# Allegro board LAY-93440_A.brd (continued)
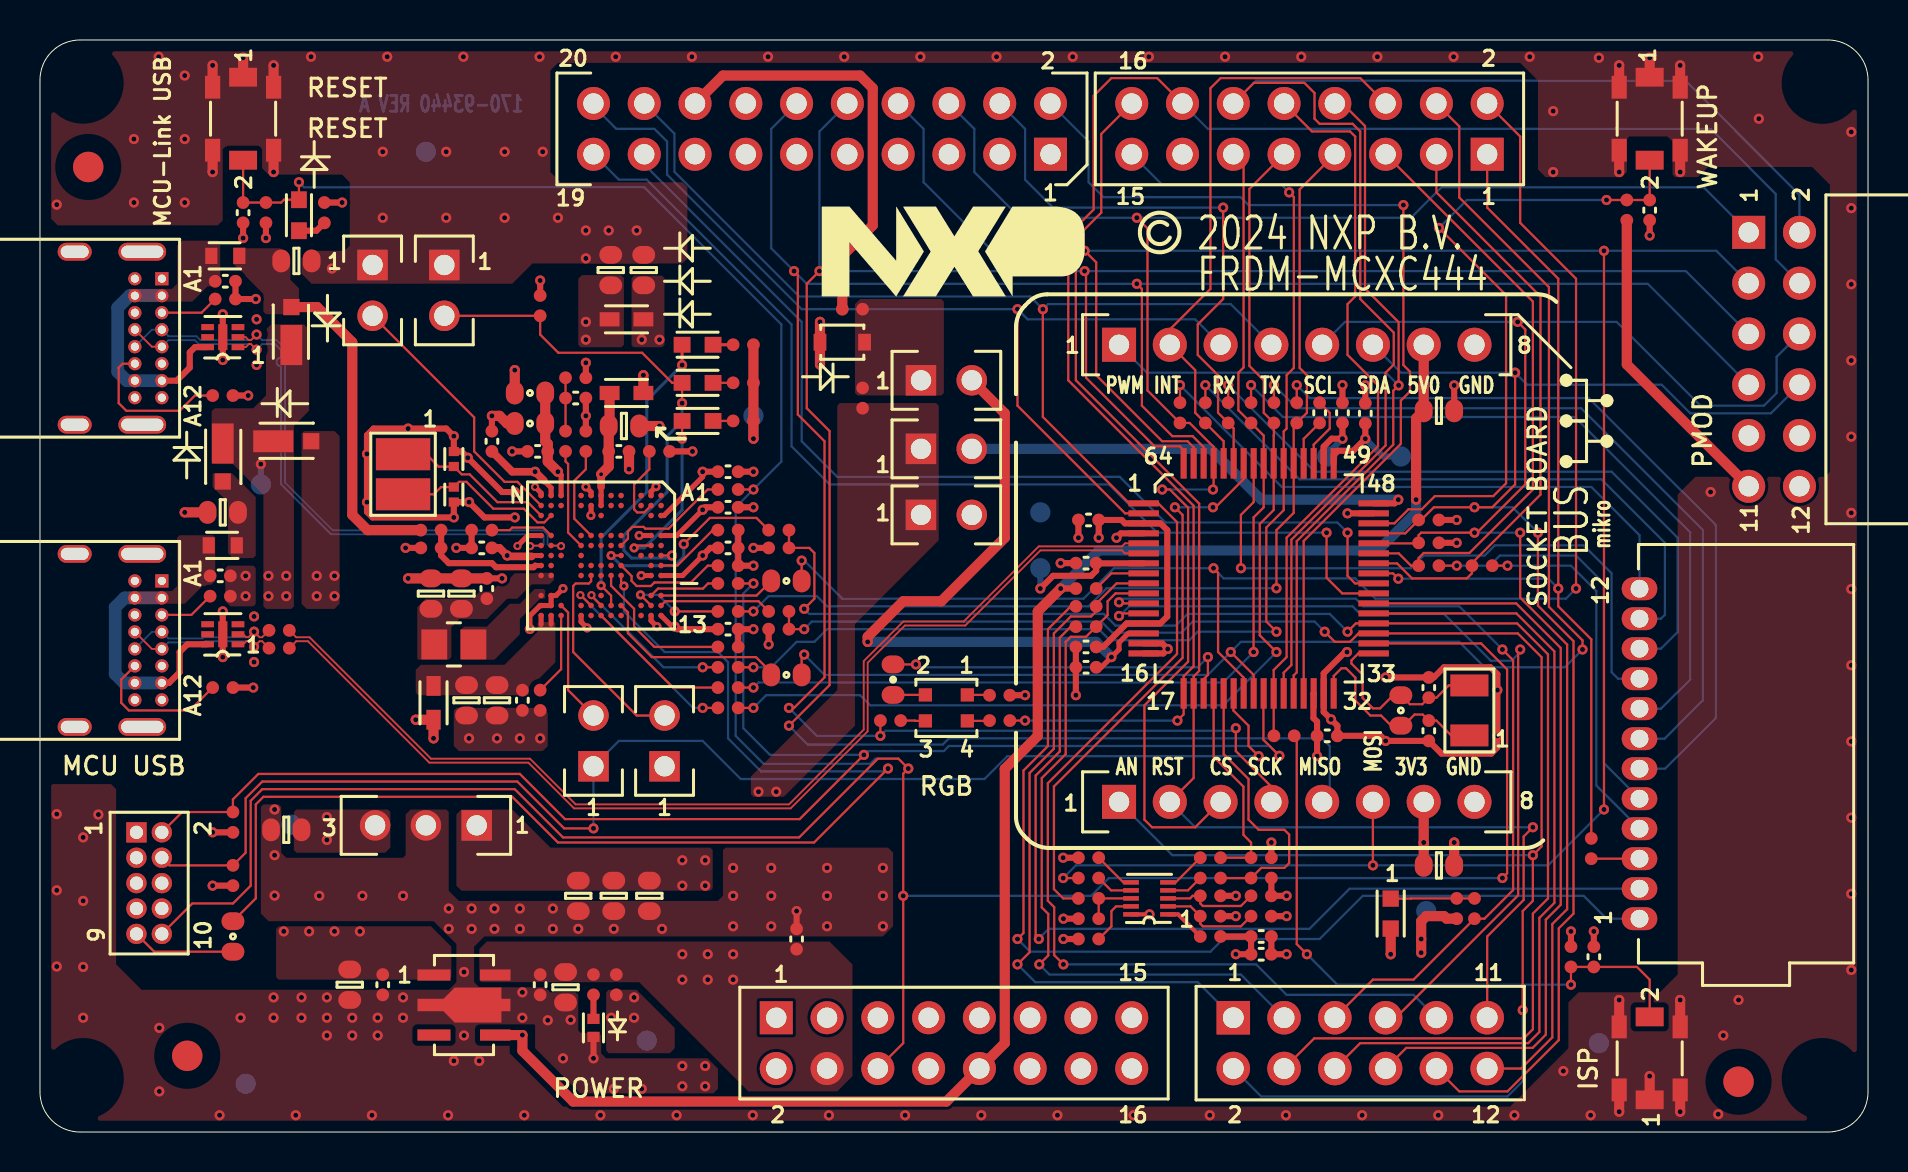
[diagram p0: board, top side]
## Nets
GND: C2.2 C3.2 C4.2 C5.2 C6.2 C7.2 C8.2 C9.2 C10.2 C12.2 C13.2 C14.2 C15.2 C16.2 C17.2 C18.2 C19.2 C20.2 C21.2 C22.2 C23.2 C24.2 C25.2 C26.2 C27.2 C28.2 C29.2 C30.2 C31.2 C32.2 C33.2 C34.2 C35.2 C36.2 C37.2 C38.2 C39.2 C40.2 C41.2 C42.2 C43.2 C44.2 C45.2 C46.2 C47.2 C48.2 C49.2 C50.2 C51.2 D2.A D5.C(CATHODE) J2.14 J3.12 J3.14 J5.8 J6.8 J7.9 J7.10 J10.3 J10.5 J11.2 J12.A1 J12.A12 J12.B1 J12.B12 J12.SH1 J12.SH2 J12.SH3 J12.SH4 J13.A1 J13.A12 J13.B1 J13.B12 J13.SH1 J13.SH2 J13.SH3 J13.SH4 JP2.1 JP3.1 JP4.1 Q1.2(EMITTER) R35.1 R36.2 R41.2 R46.2 R48.2 R55.2 R56.2 R57.2 R59.2 R61.2 R62.2 R63.2 R64.2 R65.2 R66.2 R67.2 R81.2 SW1.1 SW1.3 SW1.4 SW1.5 SW1.6 SW2.1 SW2.3 SW2.4 SW2.5 SW2.6 SW3.1 SW3.3 SW3.4 SW3.5 SW3.6 TP5.1(PIN1) TP6.1(PIN1) TP7.1(PIN1) U1.4 U1.15 U1.16(VSSA) U1.31 U1.47 U2.10 U3.2(VSS) U4.7 U5.B1 U5.B5 U5.B9 U5.B13 U5.H1 U5.H2 U5.J13 U5.M11 U5.M12 U5.N1 U5.N5 U5.N12 U6.7
P3V3: C14.1 C15.1 C16.1 C20.1 C24.1 C25.1 C33.1 J3.4 J3.8 J6.7 J7.11 J7.12(B6) JP1.2 L2.1 L3.1 L5.1 R1.1 R2.1 R9.1 R15.1 R26.1 R27.1 R28.1 R29.1 R30.2 R31.1 R32.1 R33.1 R34.1 R42.1 R43.1 R44.1 R51.1 R52.1 R53.1 R58.1 R60.1 R76.1 R77.1 R83.2 TP8.1(PIN1) TP10.1(PIN1) U3.5
P3V3_MCU: C2.1 C3.1 C51.1 J10.1 JP1.1 JP7.1 R7.1 R43.2 R80.1 TP3.1(PIN1) TP12.1(PIN1) U1.3 U1.13 U1.30
P5V0: C21.1 C23.1 C26.1 D4.C D6.C D7.C J3.10 J5.7 R6.1 TP9.1(PIN1) TP11.1(PIN1) U3.1 U3.4
P5V_HDR_IN: C22.1 D7.A J11.3
P5V_MCU_LINK_USB: C48.1 D6.A L6.2 R54.1
P5V_USB_FS: C27.1 D4.A L1.2
VBAT_DCDC/VBAT_PMU: C41.1 C42.1 C43.1 L5.2 U5.M13 U5.N13
A0: J4.2 J6.1 R76.2 R79.2 U1.35
A1: J4.4 R77.2 R78.2 U1.36
A2: J4.6 U1.37
A3: J4.8 U1.38
A4: J4.10 J5.6 J7.8 R26.2 U1.45
A5: J4.12(B6) J5.5 J7.6 R27.2 U1.44
A-A0B: J4.1 R20.1 U1.9
A-A1B: J4.3 R19.1 U1.10
A-A3B: J4.7 U1.12
A-D0B: J1.1 R8.1 U1.41
A-D1B: J1.3 R10.1 U1.42
A-D2B: J1.5 R11.1 U1.43
AREF: J2.16 R4.1
D0: J1.2 R71.2 U1.23
D1: J1.4 R70.2 U1.24
D2: J1.6 J5.2 R18.1 U1.60
D3: J1.8 J5.1 U1.28
D4: J1.10 R5.1 U1.26
D5: J1.12 J7.2 U1.27
D6: J1.14 J7.4 R25.2 U1.17
D7_A-A5B: J1.16(B8) J4.11 J6.2 U1.18
D8: J2.2 U1.29
D9: J2.4 R16.1 U1.59
D10: J2.6 J6.3 J7.1 R17.1 U1.61
D11: J2.8 J6.6 J7.3 R40.2 U1.63
D12: J2.10 J6.5 J7.5 U1.64
D13: J2.12 J6.4 J7.7 R23.2 U1.62
D14_A-A4B: J2.18 J4.9 J5.4 U1.1
D15: J2.20 J5.3 U1.2
DBGIF_DETECT: R24.1 U5.E9
DBGIF_RESET: R69.1 U5.E6
DBGIF_TCK_SWCLK: JP5.2 U5.L12
DBGIF_TMS_SWDIO: R68.1 U5.B11
DBGIF_VREF: C50.1 R58.2 R59.1 U5.L1
EXTAL_32KHZ: C6.1 R3.2 U1.32 Y1.1
FL_USB1_DM: J13.A7 J13.B7 U5.N6 U6.1
FL_USB1_DP: J13.A6 J13.B6 U5.M6 U6.2
HW_VER_0: R62.1 U5.E8
HW_VER_1: R63.1 U5.A8
HW_VER_2: R64.1 U5.F9
HW_VER_3: R65.1 U5.B2
HW_VER_4: R66.1 U5.M5
HW_VER_5: R67.1 U5.H5
HW_VER_6: JP3.2 U5.H9
HW_VER_7: JP4.2 U5.N2
HW_VER_8: R61.1 U5.L13
LCD-01_P59: DS1.1 R20.2
LCD-02_P60: DS1.2 R19.2
LCD-03_P14: DS1.3 R8.2
LCD-04_P15: DS1.4 R10.2
LCD-05_P20: DS1.5 R11.2
LCD-06_P24: DS1.6 R12.2
LCD-07_P26: DS1.7 R14.2
LCD-08_P27: DS1.8 R13.2
LCD-09_P40: DS1.9 U1.57
LCD-10_P42: DS1.10(DP3/3C/3B/3A) R16.2
LCD-11_P43: DS1.11 R18.2
LCD-12_P44: DS1.12 R17.2
LED_RED: R22.2 U1.19
LED_USB_COMM: D8.C(CATHODE) U5.F12
LED_VCOM_ACT: D10.C(CATHODE) U5.B6
LIGHT_SNS: J4.5 R82.1 U1.11
MCU_LINK_3V3: C29.1 C30.1 C31.1 C32.1 C34.1 C46.1 C47.1 L2.2 R49.1 U5.A3 U5.A5 U5.A9 U5.A13 U5.M1 U5.N7
MCU_LINK_I2C0_SCL: R79.1 U5.A12
MCU_LINK_I2C0_SDA: R78.1 U5.E7
MCU_LINK_N_16MHZ: C44.1 U5.M3 Y2.2
MCU_LINK_P_16MHZ: C45.1 U5.N3 Y2.1
MCU_LINK_RST: R50.2 U5.J6
MCU_LINK_RX: R70.1 U5.E12
MCU_LINK_SPI1_MISO: R75.1 U5.G13
MCU_LINK_SPI1_MOSI: R74.1 U5.H12
MCU_LINK_SPI1_SCLK: R73.1 U5.G12
MCU_LINK_SPI1_SSEL: R72.1 U5.B12
MCU_LINK_TX: R71.1 U5.A11
P5-9V_VIN: C17.1 C18.1 C19.1 J3.16(B8) J11.1
PIO0_5-ISP_EN-LED_SWD_ACT: D9.C(CATHODE) JP2.2 R60.2 U5.A7
PTA4/NMI: C12.1 R5.2 R15.2 SW3.2
PTB16: J2.19 U1.39
PTB17: J2.17 U1.40
PTC3/WAKEUP: C10.1 R9.2 SW2.2 U1.46
PTC4/SPI0_PCS_MCULINK: J1.7 R12.1 R72.2 U1.53
PTC5/SPI0_SCK_MCULINK: J1.15 R73.2 U1.54
PTC6/SPI0_MOSI_MCULINK: J1.9 R14.1 R74.2 U1.55
PTC7/SPI0_MISO_MCULINK: J1.11 R13.1 R75.2 U1.56
PTD1/ACCEL_INT: R39.1 U1.58
PTE24/ACCEL_SCL: R29.2 R37.2 U1.20
PTE25/ACCEL_SDA: R34.2 R38.1 U1.21
RESET_B: C5.1 D1.C(CATHODE) J3.6 J10.10(B5) R1.2 R69.2 SW1.2 U1.34
SWD_CLK_TGTMCU: J10.4 JP5.1 R81.1 U1.22
SWD_DIO_TGTMCU: J10.2 R68.2 R80.2 U1.25
USB0_DM: R45.2 U1.6
USB0_DP: R47.2 U1.5
VCAP1: C11.1 U1.52
VCAP2: C11.2 U1.51
VOUT33: C13.1 TP4.1(PIN1) U1.7
VREF_MCULINK: C36.1 C37.1 L3.2 U5.G1 U5.G2
VREFH: C7.1 JP6.2 U1.14
VREFH_IN: D2.C(CATHODE) JP6.1 R4.2 R7.2
XTAL_32KHZ: C4.1 R3.1 U1.33 Y1.2
N60273: R6.2 U1.8
N60813: C8.1 TP1.1(PIN1) U1.50
N60817: C9.1 TP2.1(PIN1) U1.49
N60905: JP7.2 U1.48
N73882: Q1.1 R42.2 R82.2
N84836: C35.1 R49.2 R50.1
N85250: D8.A R51.2
N85474: D9.A R52.2
N85648: C38.1 C39.1 C40.1 L4.2 U5.M9 U5.N9
N85680: D10.A R53.2
N85830: L4.1 U5.N11
N87448: R54.2 R57.1 U5.N8
N1590729: C49.1 J13.A4 J13.A9 J13.B4(VBUS4) J13.B9 L6.1 U6.6(VBUS)
N1590769: J13.A5 R55.1
N1590873: J13.B5 R56.1
N16799454: R30.1 R35.2 U2.2
N16799456: R31.2 R36.1 U2.3
N16799458: R32.2 R39.2 U2.8
N16799460: R33.2 U2.6
N16799537: R41.1 U2.9
N16808101: C28.1 J12.A4 J12.A9 J12.B4(VBUS4) J12.B9 L1.1 U4.6(VBUS)
N16808125: J12.A5 R46.1
N16808144: J12.A6 J12.B6 R47.1 U4.2
N16808148: J12.A7 J12.B7 R45.1 U4.1
N16808212: J12.B5 R48.1
N16808796: J10.9 R24.2
N16855543: D1.A R2.2
N16873626: D3.2 R22.1
N16873660: D3.1 R83.1
N16873662: D3.3 R23.1
N16873684: D3.4(CATHODE3) R25.1
N16877270: R37.1 U2.5
N16877273: R40.1 U2.7
N16877329: R38.2 U2.4
N16894290: R28.2 U2.1(VDD)
N168033921: D5.A R44.2

Pads without a net: J1 13; J2 1 3 5 7 9 11 13 15; J3 1 2 3 5 7 9 11 13 15; J10 6 7 8; J12 A8 B8; J13 A8 B8; U3 3; U4 3 4 5; U5 A1 A2 A6 B3 B7 B8 C1 C2 C7 C12 C13 E1 E2 E5 E13 F1 F2 F5 F6 F8 F13 G3 G5 G6 G8 G9 G11 H6 H8 H13 J1 J2 J5 J7 J8 J9 J12 L2 L7 M2 M7 M8; U6 3 4 5

## Via types
v1: diameter 0.508, hole 0.254, TOP to BOTTOM, 416 vias
v2: diameter 0.406, hole 0.203, TOP to BOTTOM, 6 vias
v3: diameter 0.457, hole 0.203, TOP to BOTTOM, 14 vias

## Routing (per net, layer and track width the routed paths; a pad name or vN(x,y) marks a point on that pad's centre or on a via; arc(x,y) is an arc through that point)
GND: length 127.7
  TOP w0.203: U2.10 v1(55.5,10.88)
  TOP w0.254: U5.J13 27.07,25.51 v3(27.37,25.21) ; U5.B1 30.57,32.03 v3(30.82,32.28) ; v2(24.77,32.26) 25.07,31.96 U5.N1 ; v3(29.97,29.83) 29.97,29.83 U5.B5 ; U5.H1 27.57,32 v3(27.31,32.26) ; U5.H2 27.57,30.84 v3(27.56,30.83) ; v1(24.5,25.15) 24.5,25.82 25.02,26.33 U5.N12 U5.M12 U5.M11 25.81,26.83 v3(26.16,27.18) ; U5.N5 24.41,29.83 v2(23.88,29.31) ; U5.B13 30.57,25.57 v3(30.86,25.27) ; U5.B9 v3(30.07,27.83)
  TOP w0.305: v1(51.82,21.84) C7.2 C2.2 ; v1(23.75,32) 23.11,32 v1(21.4,33.72) 21.09,34.03 C45.2 v1(20.7,34.8) 20.32,35.18 v1(18.41,35.18) 16.69,35.18 16.36,34.85 v1(16.36,33.91) v1(16.36,31.5) 16.36,31.01 16.64,30.73 v1(20.7,30.73) C44.2 v1(21.46,31.5) 22.23,30.73 v1(23.75,30.73) ; C34.2 v1(35.69,31.24) ; C5.2 v1(10.16,44.7) ; R35.1 v1(59.82,10.79) ; C8.2 v1(65.15,37.35) ; v1(9.14,26.03) U4.7 v1(9.14,23.75) ; C10.2 v1(80.52,44.83) ; U1.16 56.19,23.93 v1(56.41,24.16) 56.14,24.43 U1.15 ; v1(67.31,22.73) C4.2 69.72,22.73 70.23,23.24 72.55,23.24 72.9,22.89 v1(72.9,22.1) v1(72.9,19.81) 72.9,19.23 72.59,18.92 70.1,18.92 C6.2 v1(67.31,19.56) 67.06,19.81 C3.2 64.9,20.32 v1(64.58,20.64) 64.21,21 U1.31 64.21,22.94 65.28,24 v1(65.38,24) ; C31.2 v1(22.61,35.81) ; U1.4 54.07,29.94 v1(53.85,29.72) ; C30.2 v1(35.69,33.02) ; C51.2 v1(51.94,29.72) ; C21.2 v1(70.74,37.34) ; C39.2 v1(23.11,27.69) ; R41.2 v1(51.19,9.65) ; R57.2 v1(18.29,29.21) ; R65.2 v1(32.64,34.04) ; v1(35.69,25.15) C46.2 R64.2 ; R81.2 v1(8.64,12.32) ; C13.2 v1(51.05,28.45) ; C50.2 v1(23.62,34.04) ; C49.2 R55.2 v1(10.79,41.66) ; U1.47 v1(65.41,30.94) ; R36.2 v1(59.82,11.81) ; R66.2 C32.2 v1(20.83,29.21) ; R67.2 v1(27.3,35.81) C35.2 ; C12.2 v1(77.72,10.03) ; R48.2 v1(10.67,22.23) ; R56.2 v1(10.41,36.83) ; R63.2 C47.2 R62.2 v1(35.69,28.32) ; C15.2 C14.2 v1(62.36,8.89) ; D5.C v1(27.69,3.68) ; v1(9.14,38.61) U6.7 v1(9.14,40.89) ; C9.2 v1(66.29,37.34) ; C16.2 v1(37.85,11.05)
  TOP w0.508: v1(22.61,35.81) 22.99,35.81 23.37,35.43 R59.2 ; SW3.6 v1(82.04,6.6) ; v1(39.02,40.51) D2.A v1(39.02,38.38) ; v1(18.41,27.69) C40.2 C38.2 C39.2 ; SW1.5 v1(8.63,53.34) ; SW3.5 v1(82.04,1.01) ; SW2.6 v1(78.99,48.01) ; SW1.1 v1(10.16,53.72) ; SW3.4 v1(78.99,6.6) ; SW2.1 v1(80.52,53.72) ; SW2.5 v1(78.99,53.34) ; C27.2 v1(7.24,30.99) ; SW1.6 v1(8.63,48.01) ; SW1.3 v1(11.69,53.34) ; SW3.1 v1(80.52,2.79) ; C37.2 v1(30.99,35.31) ; C36.2 v1(29.46,33.15) ; SW2.3 v1(82.04,53.34) ; C20.2 v1(70.74,14.48) ; SW2.4 v1(82.04,48.01) ; Q1.2 v1(67.56,8.89) ; SW3.3 v1(78.99,1.02) ; SW1.4 v1(11.69,48.01)
  vias: v1(0.84,46.38) v1(0.84,15.9) v1(0.84,12.09) v1(0.84,8.28) v1(2.16,14.73) v1(2.16,11.56) v1(2.16,8.25) v1(2.16,5.71) v1(2.92,15.88) v1(4.7,49.66) v1(4.7,46.48) v1(5.94,53.77) v1(5.97,5.21) v1(5.97,2.03) v1(7.24,52.83) v1(7.24,49.66) v1(7.24,46.48) v1(8.98,0.84) v1(10.03,5.71) v1(10.29,27.81) v1(10.29,26.8) v1(10.71,25.78) v1(10.71,23.5) v1(10.83,40.64) v1(10.83,38.36) v1(11.68,6.73) v1(11.68,5.71) v1(11.73,16.13) v1(11.73,13.84) v1(11.73,11.82) v1(12.79,0.84) v1(13.08,6.73) v1(13.08,5.71) v1(13.56,53.77) v1(13.97,11.81) v1(14.35,6.73) v1(14.35,5.71) v1(14.35,4.83) v1(14.61,43.18) v1(15.62,5.71) v1(15.62,4.83) v1(16.13,11.81) v1(16.6,0.84) v1(16.89,5.71) v1(16.89,4.83) v1(17.14,49.02) v1(17.14,45.72) v1(17.37,53.77) v1(18.16,11.81) v1(18.16,6.73) v1(18.16,5.71) v1(20.32,49.02) v1(20.32,45.72) v1(20.45,11.18) v1(20.45,10.16) v1(20.41,0.84) v1(20.7,3.56) v1(21.18,53.77) v1(21.21,8) v1(21.21,4.83) v1(21.46,19.69) v1(21.59,11.18) v1(21.59,10.16) v1(21.97,3.56) v1(22.73,11.18) v1(22.73,10.16) v1(22.86,19.69) v1(23.24,49.02) v1(23.24,45.72) v1(24,19.69) v1(24,11.18) v1(24,10.16) v1(24.13,6.98) v1(24.13,5.71) v1(24.22,0.84) v1(24.99,53.77) v1(25.02,19.69) v1(25.15,49.02) v1(25.4,5.59) v1(25.65,11.18) v1(25.65,10.16) v1(25.91,45.72) v1(26.16,3.68) v1(26.54,5.61) v1(26.92,10.16) v1(27.3,45.09) v1(27.3,43.69) v1(28.03,0.84) v1(28.45,45.09) v1(28.7,10.16) v1(28.7,2.16) v1(28.8,53.77) v1(29.84,45.09) v1(30.1,2.16) v1(31.11,10.16) v1(31.84,0.84) v1(32.13,3.3) v1(32.13,2.29) v1(32.61,53.77) v1(33.27,3.3) v1(33.27,2.29) v1(34.67,13.21) v1(34.67,11.81) v1(34.67,10.29) v1(35.65,0.84) v1(36.42,53.77) v1(36.58,13.21) v1(36.58,11.81) v1(36.58,10.29) v1(39.37,13.21) v1(39.37,11.81) v1(39.37,10.29) v1(39.46,0.84) v1(40.23,53.77) v1(42.16,13.21) v1(42.16,11.81) v1(42.16,10.29) v1(43.27,0.84) v1(44.04,53.77) v1(47.08,0.84) v1(47.85,53.77) v1(50.89,0.84) v1(51.66,53.77) v1(54.7,0.84) v1(55.47,53.77) v1(58.51,0.84) v1(59.28,53.77) v1(62.32,0.84) v1(63.09,53.77) v1(66.13,0.84) v1(66.9,53.77) v1(69.94,0.84) v1(70.71,53.77) v1(73.75,0.84) v1(74.52,53.77) v1(75.69,51.05) v1(75.69,48.01) v1(76.2,3.05) v1(77.56,0.84) v1(77.98,53.72) v1(83.57,32) v1(83.95,0.89) v1(84.2,4.83) v1(84.96,6.6) v1(85.95,53.77) v1(85.98,50.67) v1(90.6,50.01) v1(90.6,46.2) v1(90.6,42.39) v1(90.6,38.58) v1(90.6,34.77) v1(90.6,30.96) v1(90.6,27.15) v1(90.6,23.34) v1(90.6,19.53) v1(90.6,15.72) v1(90.6,11.91) v1(90.6,8.1)
P3V3: length 47.3
  TOP w0.305: R33.1 v1(51.18,13.72) ; R1.1 v1(11.3,44.7) ; v1(59.82,8.89) C14.1 C15.1 R28.1 ; R15.1 v1(76.58,10.03) ; R27.1 v1(70.87,29.46) ; R26.1 v1(70.87,30.61) ; R32.1 v1(51.19,10.67) ; R34.1 R31.1 v1(62.36,11.81) ; R77.1 v1(35.69,29.21) ; R29.1 v1(61.59,14.48) ; R2.1 v1(15.11,46.48) ; R83.2 v1(49.28,21.84) ; R30.2 v1(62.36,10.79) ; R60.1 v1(25.02,42.58) ; R76.1 v1(36.45,24.38)
  TOP w0.508: v1(18.8,20.62) L5.1 v1(19.68,19.69) ; 69.22,16.51 v1(69.22,14.48) C20.1 ; v1(35.69,34.67) R53.1 R52.1 R51.1 ; R58.1 v1(23.75,38.1) ; R9.1 79.38,38.39 J7.11 ; v1(69.09,8.97) v1(69.09,9.65) 69.09,10.54 69.34,10.79 70.23,10.79 70.36,10.67 70.87,10.67 ; L3.1 v1(30.18,37.85)
  BOTTOM w0.508: TP10.1 v1(35.69,34.67)
  vias: v1(30.1,39.62) v1(30.99,39.62) v1(32.13,8.89) v1(32.13,7.62) v1(33.4,8.89) v1(33.4,7.62) v1(34.67,8.89) v1(34.67,7.62)
P3V3_MCU: length 17.3
  TOP w0.305: v1(52.96,29.72) C51.1 54.1,30.61 54.27,30.44 U1.3 56.05,30.44 56.39,30.1 56.39,25.78 56.04,25.43 U1.13 54.36,25.43 53.18,24.26 C2.1 ; v1(63.88,18.8) C3.1 63.88,20.52 63.7,20.7 63.7,21.92 U1.30 ; 9.65,14.99 v1(8.64,14.99)
  vias: v1(28.57,5.71) v1(29.72,6.73) v1(29.72,5.71) v1(35.94,17.02) v1(36.83,17.02)
P5V0: length 82.1
  TOP w0.305: v1(51.05,27.18) R6.1
  TOP w0.508: J5.7 C21.1 68.83,35.69 v1(68.83,31.62) ; v1(51.05,27.18) 49.91,26.03 49.91,19.81 48.26,18.16 48.26,4.45 J3.10 45.34,1.52 26.67,1.52 24.13,4.06 v1(24.13,4.85) U3.4
  BOTTOM w0.305: TP9.1 v1(11.05,33.4)
  BOTTOM w0.508: v1(51.05,27.18) 52.96,29.08 66.93,29.08 68.83,30.99 v1(68.83,31.62)
  vias: v1(11.43,27.81) v1(11.43,26.8) v1(12.19,10.03) v1(12.32,27.81) v1(12.32,26.8) v1(13.46,10.03) v1(14.73,10.03) v1(16,10.03)
P5V_HDR_IN:
  vias: v1(13.84,27.81) v1(13.84,26.8) v1(14.35,15.75) v1(14.35,14.61) v1(14.73,27.81) v1(14.73,26.8)
P5V_MCU_LINK_USB: length 16.2
  TOP w0.508: R54.1 16.38,30.1 15.62,30.86 15.62,39.5 13.86,41.25 D6.A
VBAT_DCDC/VBAT_PMU: length 0.9
  TOP w0.254: U5.M13 25.57,25.39 ; U5.N13 25.07,25.38
A0: length 99
  TOP w0.112: v1(64.26,25.02) 64.77,24.51 65.53,24.51 65.96,24.93 U1.35 73.92,24.93 75.11,23.74 75.11,14.28 v1(74.68,13.84) 74.68,11.56 74.17,11.05 v1(74.17,6.1) ; v1(38.23,25.15) R76.2 R79.2
  BOTTOM w0.112: v1(64.26,25.02) 63.75,25.53 57.66,25.53 57.1,24.97 53.64,24.97 53.09,25.53 38.61,25.53 v1(38.23,25.15) ; v1(74.68,13.84) 56.64,13.84 J6.1 ; v1(74.17,6.1) 74.17,2.54 73.41,1.78 61.09,1.78 J4.2
A1: length 76.6
  TOP w0.112: R78.2 R77.2 38.48,29.21 38.73,28.96 38.73,26.67 v1(38.23,26.16) ; v1(65.41,25.02) 65.82,25.43 U1.36 73.89,25.43 75.43,23.89 75.43,11.68 74.68,10.92 74.68,5.14 74.22,4.68 63.74,4.68 J4.4
  BOTTOM w0.112: v1(38.23,26.16) 38.48,25.91 53.21,25.91 53.8,25.33 56.82,25.33 57.4,25.91 64.52,25.91 v1(65.41,25.02)
A2: length 40.2
  TOP w0.112: U1.37 73.85,25.93 75.75,24.03 75.75,11.46 75,10.71 75,5 74.44,4.45 66.04,4.45 J4.6
A3: length 38.6
  TOP w0.112: U1.38 73.84,26.44 76.07,24.21 76.07,11.36 75.32,10.62 75.32,4.87 74.66,4.21 68.34,4.21 J4.8
A4: length 74.8
  TOP w0.112: v1(73.79,37.97) 73.79,32.38 72.64,31.24 v1(71.76,31.24) 69.72,31.24 69.09,30.61 R26.2 68.29,29.94 U1.45 ; v1(74.93,29.97) 74.93,26.33 76.71,24.55 76.71,10.92 75.97,10.19 75.97,4.6 73.41,2.03 70.99,2.03 J4.10
  BOTTOM w0.112: v1(74.93,29.97) 73.66,31.24 v1(71.76,31.24) ; J5.6 68.07,37.97 v1(73.79,37.97) 74.39,37.37 81.12,37.37 82.55,35.94 86.58,35.94 J7.8
A5: length 78.7
  TOP w0.112: v1(73.91,40.51) 74.3,40.13 74.3,32.38 71.88,29.97 v1(71.76,29.97) 69.09,29.97 68.96,29.84 R27.2 68.93,29.44 U1.44 ; v1(74.04,29.97) 74.04,26.72 76.39,24.38 76.39,11.14 75.65,10.4 75.65,4.73 74.09,3.17 J4.12
  BOTTOM w0.112: J7.6 86.87,38.77 86.87,36.96 86.23,36.32 83.06,36.32 78.87,40.51 v1(73.91,40.51) 65.28,40.51 J5.5 ; v1(71.76,29.97) v1(74.04,29.97)
A-A0B: length 35
  TOP w0.112: U1.9 53.85,27.44 52.83,26.42 R20.1 52.83,26.03 52.58,25.78 51.56,25.78 50.72,24.93 50.72,19.17 49.5,17.95 49.5,8.99 v1(48.89,8.38)
  BOTTOM w0.112: v1(48.89,8.38) 49.78,7.49 57.91,7.49 J4.1
A-A1B: length 35.6
  TOP w0.112: U1.10 53.8,26.94 53.4,26.54 53.4,25.84 R19.1 52.32,24.77 51.56,24.77 51.31,24.51 51.31,18.9 50.11,17.7 50.11,11.23 50.43,10.91 50.43,8.83 v1(49.99,8.38)
  BOTTOM w0.112: J4.3 60.07,7.87 50.5,7.87 v1(49.99,8.38)
A-A3B: length 44.5
  TOP w0.112: U1.12 54.13,25.93 54,25.81 v1(53.98,25.81) ; J4.7 67.82,5.71 73.94,11.84 73.94,24.03 v1(74.04,24.13)
  BOTTOM w0.112: v1(74.04,24.13) 74.04,24 73.6,23.57 72.57,23.57 70.23,25.91 66.04,25.91 65.66,26.29 54.48,26.29 54,25.81 v1(53.98,25.81)
A-D0B: length 45.9
  TOP w0.112: J1.1 72.39,46.23 75.95,42.67 v1(75.95,27.18) 75.95,26.29 77.6,24.64 R8.1 ; v1(67.95,27.67) 67.68,27.94 U1.41
  BOTTOM w0.112: v1(75.95,27.18) 75.45,27.67 v1(67.95,27.67)
A-D1B: length 29.9
  TOP w0.112: U1.42 67.88,28.44 68.63,27.69 71.37,27.69 71.63,27.94 71.63,28.45 75.06,31.88 75.06,41.78 69.85,46.99 69.85,48.9
A-D2B: length 29.8
  TOP w0.112: J1.5 74.68,41.53 74.68,32.13 71.5,28.96 69.22,28.96 68.96,28.7 R11.1 68.58,28.32 67.96,28.94 U1.43
AREF: length 21.4
  TOP w0.508: R4.1 40.13,43.82 41.66,45.34 41.66,52.2 41.02,52.83 34.16,52.83 J2.16
D0: length 75
  TOP w0.112: J1.2 74.04,49.78 74.04,45.47 76.84,42.67 v1(76.84,27.18) ; U1.23 60.21,22.72 58.93,24 58.93,27.97 v1(58.7,28.19) ; v1(38.1,28.58) R71.2
  BOTTOM w0.112: v1(76.84,27.18) 76.33,26.67 66.8,26.67 65.79,27.69 59.21,27.69 v1(58.7,28.19) 53.72,28.19 52.2,26.67 40.13,26.67 38.23,28.58 v1(38.1,28.58)
D1: length 74.9
  TOP w0.112: R70.2 38.1,23.75 v1(38.23,23.88) ; v1(77.16,24.13) 77.16,24.58 75.48,26.26 75.48,42.25 70.99,46.74 70.99,50.29 69.85,51.44 ; v1(59.56,24) 60.71,22.86 U1.24
  BOTTOM w0.112: v1(38.23,23.88) 39.24,22.86 58.42,22.86 v1(59.56,24) 60.07,24.51 70.99,24.51 72.26,23.24 76.27,23.24 v1(77.16,24.13)
D2: length 30.2
  TOP w0.112: U1.60 59.21,34.54 R18.1 57.78,35.97 57.78,38.1 J5.2 56.52,40.13 58.55,42.16 58.55,52.2 59.05,52.7 66.04,52.7 J1.6
D3: length 48
  TOP w0.112: J1.8 65.15,51.44 66.28,50.31 66.28,42.18 67.96,40.5 v1(67.96,37.34) 67.69,37.07 67.69,34.37 62.87,29.55 62.87,22.99 62.71,22.83 U1.28
  BOTTOM w0.112: J5.1 55.37,37.97 67.33,37.97 v1(67.96,37.34)
D4: length 37.2
  TOP w0.112: J1.10 63.63,50.04 65.53,50.04 65.79,49.78 65.79,41.78 65.41,41.4 65.41,38.86 66.93,37.34 66.93,34.29 62.36,29.72 62.36,23.75 61.71,23.1 U1.26 61.71,19.82 61.72,19.81
D5: length 72.7
  TOP w0.112: 59.69,51.44 60.72,52.47 63.25,52.47 63.75,51.96 63.75,50.67 64.01,50.42 65.66,50.42 66.04,50.04 66.04,41.66 67.72,39.98 67.72,38.38 67.31,37.97 67.31,34.34 62.6,29.62 62.6,23.35 62.21,22.97 U1.27
  BOTTOM w0.112: J7.2 88.01,46.86 82.3,52.58 60.83,52.58 59.69,51.44
D6: length 84.9
  TOP w0.112: v1(56.9,20.57) 57.21,20.89 U1.17 57.21,22.79 57.71,23.29 57.71,31.32 51.44,37.59 51.44,44.86 52.7,46.13 52.7,51.82 53.59,52.7 55.88,52.7 57.15,51.44 ; R25.2 v1(49.28,20.57)
  BOTTOM w0.112: J7.4 86.82,43.64 86.82,46.91 83.57,50.16 58.42,50.16 57.15,51.44 ; v1(49.28,20.57) v1(56.9,20.57)
D7_A-A5B: length 68.4
  TOP w0.112: 54.61,51.44 53.09,49.91 53.09,45.97 51.82,44.7 51.82,37.59 57.98,31.42 57.98,23.06 57.71,22.78 U1.18 57.71,17.7 J6.2 ; v1(74.68,15.24) 74.21,14.78 74.21,11.6 72.39,9.78 J4.11
  BOTTOM w0.112: v1(74.68,15.24) 57.78,15.24 J6.2
D8: length 47.7
  TOP w0.112: v1(68.2,46.36) 68.2,38.35 68.53,38.02 68.53,37.03 68.07,36.58 68.07,34.42 63.21,29.56 U1.29
  BOTTOM w0.112: J2.2 52.45,49.53 52.45,47.5 53.2,46.75 60.06,46.75 60.45,46.36 v1(68.2,46.36)
D9: length 28.9
  TOP w0.112: v1(59.18,46.23) 59.18,41.66 57.91,40.39 57.91,38.86 58.93,37.85 58.93,35.97 R16.1 59.71,35.19 U1.59
  BOTTOM w0.112: v1(59.18,46.23) 50.67,46.23 49.28,47.62 49.28,50.16 J2.4
D10: length 85.9
  TOP w0.112: v1(54.86,45.72) 55.4,45.19 55.4,37.08 R17.1 57.5,35.46 58.71,34.25 U1.61 58.71,32.17 v1(58.67,32.13) ; v1(56.13,32.13) 56.52,32.13 57.43,31.22 57.43,23.52 55.24,21.34 55.24,15.62 55.63,15.24 57.78,15.24 J6.3
  BOTTOM w0.112: J2.6 46.74,50.16 46.74,48.01 49.02,45.72 v1(54.86,45.72) 68.58,45.72 70.1,47.24 83.22,47.24 J7.1 ; v1(56.13,32.13) v1(58.67,32.13)
D11: length 121.8
  TOP w0.112: v1(52.25,44.07) 52.83,43.49 52.83,37.85 56.13,34.54 57.4,34.54 57.71,34.24 U1.63 ; v1(78.23,44.07) v1(78.23,16.13) ; R40.2 v1(51.18,12.7) ; J6.6 v1(66.68,13.33)
  BOTTOM w0.112: v1(51.18,12.7) 51.82,13.33 v1(66.68,13.33) 75.44,13.33 v1(78.23,16.13) ; J2.8 44.2,50.16 44.2,47.5 47.62,44.07 v1(52.25,44.07) v1(78.23,44.07) 83.85,44.07 J7.3
D12: length 124.1
  TOP w0.112: v1(52.25,43.05) 52.32,42.98 52.32,37.72 55.75,34.29 57.02,34.29 57.21,34.11 U1.64 ; v1(37.46,20.32) 39.5,22.35 39.5,35.05 38.35,36.2 38.35,42.42 v1(38.99,43.05)
  BOTTOM w0.112: J7.5 82.33,43.05 v1(52.25,43.05) v1(38.99,43.05) 38.99,50.04 J2.10 ; J6.5 64.52,16.89 64.52,19.3 64.14,19.69 45.47,19.69 45.16,19.38 38.41,19.38 v1(37.46,20.32)
D13: length 122.1
  TOP w0.112: v1(54.86,42.42) 55.12,42.16 55.12,36.32 56.64,34.8 57.66,34.8 58.21,34.25 U1.62 ; v1(37.72,43.05) 37.91,42.86 37.91,35.88 39.24,34.54 39.24,22.73 37.72,21.21 v1(37.46,21.21) ; v1(59.82,20.19) 59.82,19.05 61.59,17.27 J6.4 ; R23.2 v1(42.04,19.81)
  BOTTOM w0.112: J2.12 36.58,50.16 36.58,44.2 v1(37.72,43.05) 38.35,42.42 v1(54.86,42.42) 80.42,42.42 J7.7 ; v1(59.82,20.19) 59.69,20.07 42.29,20.07 v1(42.04,19.81) 38.86,19.81 v1(37.46,21.21)
D14_A-A4B: length 96.8
  TOP w0.112: v1(50.16,41.15) 50.16,35.76 54.49,31.44 U1.1 55.94,31.44 56.88,30.5 56.88,23.91 50.41,17.44 50.41,11.56 50.73,11.24 50.73,8.84 v1(51.19,8.38)
  BOTTOM w0.112: J4.9 68.71,6.86 62.36,6.86 60.83,8.38 v1(51.19,8.38) ; J5.4 59.56,41.4 50.42,41.4 v1(50.16,41.15) 49.53,41.78 37.97,41.78 31.73,48.02 31.73,49.93 J2.18
D15: length 50.8
  TOP w0.112: v1(48.89,41.15) 48.89,36.32 54.28,30.94 U1.2
  BOTTOM w0.112: J5.3 57.78,40.64 49.4,40.64 v1(48.89,41.15) 38.1,41.15 31.37,47.88 31.37,49.53 30.73,50.16 28.83,50.16 27.69,51.31 J2.20
DBGIF_DETECT: length 61.2
  TOP w0.112: v1(42.42,18.18) 38.72,14.48 25.91,14.48 23.62,16.76 11.18,16.76 10.79,16.38 10.79,11.68 R24.1 ; v3(29.21,27.3) 29.07,27.45 U5.E9
  BOTTOM w0.112: v3(29.21,27.3) 29.21,26.03 31.24,24 33.91,24 34.42,23.49 34.42,19.69 36.07,18.03 42.28,18.03 v1(42.42,18.18)
DBGIF_RESET: length 6.3
  TOP w0.112: R69.1 33.4,32.13 31.44,30.17 30.28,30.17 30.19,30.26 29.63,30.26 29.41,30.05 29.41,29.67 U5.E6
DBGIF_TCK_SWCLK: length 6.2
  TOP w0.112: JP5.2 26.42,22.1 26.42,25.98 U5.L12
DBGIF_TMS_SWDIO: length 3.6
  TOP w0.112: U5.B11 30.91,27.18 33.16,27.18 33.42,27.43 R68.1
DBGIF_VREF: length 5.5
  TOP w0.254: v1(25.91,33.02) 26.07,32.86 U5.L1
  TOP w0.508: v1(25.91,33.02) 25.4,33.53 C50.1 25.4,34.42 25.27,34.54 R59.1 R58.2
EXTAL_32KHZ: length 10.3
  TOP w0.112: Y1.1 70.59,19.83 69.85,20.57 C6.1 69.17,20.88 68.75,20.88 68.2,20.32 R3.2 67.59,20.32 67.08,20.83 66.55,20.83 65.8,21.58 65.8,22.72 65.33,23.19 65.1,23.19 64.71,22.8 U1.32
FL_USB1_DM: length 32.2
  TOP w0.089: J13.A7 5.6,39.27 J13.B7 ; U5.N6 24.55,29.33 v2(24.52,29.3) ; U6.1 10.29,39.25 10.45,39.41 10.55,39.41 v1(10.83,39.12)
  BOTTOM w0.089: J13.A7 6.42,39.6 7.75,39.6 7.94,39.4 10.56,39.4 v1(10.83,39.12) 11.11,39.4 11.75,39.4 12.07,39.09 12.07,38.77 11.98,38.68 11.93,38.68 11.84,38.6 11.84,38.42 11.93,38.33 11.98,38.33 12.07,38.24 12.07,32.38 14.56,29.89 25.1,29.89 25.19,29.8 25.19,29.39 25.1,29.3 v2(24.52,29.3)
FL_USB1_DP: length 32.2
  TOP w0.089: v2(26.06,29.3) 26.03,29.33 U5.M6 ; U6.2 10.29,39.75 10.43,39.6 10.56,39.6 v1(10.83,39.88)
  BOTTOM w0.089: v2(26.06,29.3) 25.48,29.3 25.39,29.39 25.39,29.88 25.18,30.09 14.64,30.09 12.26,32.47 12.26,39.17 11.84,39.6 11.11,39.6 v1(10.83,39.88) 10.55,39.6 8.03,39.6 7.83,39.8 6.42,39.8 J13.A6 5.6,40.12 J13.B6
HW_VER_0: length 5.8
  TOP w0.112: U5.E8 29.59,27.8 29.59,27.56 29.85,27.3 30.56,27.3 30.73,27.48 32.56,27.48 33.4,28.32 R62.1
HW_VER_1: length 3.6
  TOP w0.112: R63.1 33.66,30.1 31.89,28.33 U5.A8
HW_VER_2: length 7.6
  TOP w0.112: U5.F9 28.57,27.32 29.72,26.17 29.72,25.27 30.73,24.26 R64.1
HW_VER_3: length 4.3
  TOP w0.112: U5.B2 30.57,31.33 30.22,30.98 29.87,30.98 29.72,31.14 29.72,32.39 30.48,33.15 R65.1
HW_VER_4: length 3.2
  TOP w0.112: R66.1 23.49,30.1 23.62,30.23 25.17,30.23 U5.M5
HW_VER_5: length 4.8
  TOP w0.112: U5.H5 26.72,30.67 26.72,32.57 27.3,33.15 R67.1
HW_VER_6: length 10.5
  TOP w0.112: U5.H9 27.57,27.54 27.46,27.43 26.8,27.43 26.67,27.3 26.67,24 29.84,20.83 JP3.2
HW_VER_7: length 13.4
  TOP w0.112: U5.N2 23.88,32.51 23.24,32.51 21.72,34.04 21.72,35.74 JP4.2
HW_VER_8: length 4.2
  TOP w0.112: U5.L13 26.07,23.15 25.02,22.1
LCD-01_P59: length 51
  TOP w0.112: v1(48.89,9.65) 49.19,9.95 49.19,18.08 50.42,19.3 50.42,25.15 51.56,26.29 R20.2
  BOTTOM w0.112: DS1.1 78.36,10.67 77.22,11.81 66.17,11.81 64.01,9.65 59.18,9.65 58.55,9.02 49.53,9.02 v1(48.89,9.65)
LCD-02_P60: length 47.8
  TOP w0.112: v1(49.96,9.65) 49.8,9.81 49.8,17.82 51.01,19.03 51.01,24.72 51.56,25.27 R19.2
  BOTTOM w0.112: DS1.2 65.51,12.17 63.5,10.16 50.45,10.16 49.96,9.67 v1(49.96,9.65)
LCD-03_P14: length 2.4
  TOP w0.112: DS1.3 R8.2
LCD-04_P15: length 18.5
  TOP w0.112: R10.2 v1(73.41,28.32)
  BOTTOM w0.112: v1(73.41,28.32) 76.58,28.32 77.85,27.05 77.85,17.33 DS1.4
LCD-05_P20: length 20.5
  TOP w0.112: R11.2 v1(70.87,28.32)
  BOTTOM w0.112: v1(70.87,28.32) 72.52,28.32 73.03,28.83 76.84,28.83 78.23,27.43 78.23,18.45 DS1.5
LCD-06_P24: length 39.2
  TOP w0.112: R12.2 v1(62.87,37.35)
  BOTTOM w0.112: DS1.6 81.29,18.17 83.82,20.7 83.82,30.35 77.47,36.7 63.51,36.7 v1(62.87,37.35)
LCD-07_P26: length 37.8
  TOP w0.112: R14.2 v1(61.72,37.35)
  BOTTOM w0.112: v1(61.72,37.35) 62.88,36.2 77.09,36.2 83.19,30.1 83.19,21.59 81.26,19.67 DS1.7
LCD-08_P27: length 36.4
  TOP w0.112: R13.2 v1(60.58,37.35)
  BOTTOM w0.112: DS1.8 81.08,21.17 82.55,22.64 82.55,29.97 76.77,35.76 62.17,35.76 v1(60.58,37.35)
LCD-09_P40: length 31.6
  TOP w0.112: U1.57 60.71,31.5 60.07,30.86 v1(60.07,28.19)
  BOTTOM w0.112: v1(60.07,28.19) 68.58,28.19 69.22,28.83 72.26,28.83 72.77,29.34 77.22,29.34 78.61,27.94 78.61,22.99 78.94,22.67 DS1.9
LCD-10_P42: length 33.5
  TOP w0.112: R16.2 v1(59.44,37.35)
  BOTTOM w0.112: DS1.10 81.08,24.17 81.92,25 81.92,29.72 78.61,33.02 63.77,33.02 v1(59.44,37.35)
LCD-11_P43: length 32.1
  TOP w0.112: R18.2 v1(58.29,37.35)
  BOTTOM w0.112: DS1.11 81.08,25.67 81.28,25.87 81.28,29.46 78.11,32.64 63,32.64 v1(58.29,37.35)
LCD-12_P44: length 29.6
  TOP w0.112: R17.2 v1(57.02,37.35)
  BOTTOM w0.112: v1(57.02,37.35) 62.12,32.26 77.6,32.26 80.01,29.84 DS1.12
LED_RED: length 17.9
  TOP w0.112: v1(58.42,23.75) 58.42,22.86 58.21,22.65 U1.19 ; R22.2 v1(43.81,23.38)
  BOTTOM w0.112: v1(58.42,23.75) 57.91,23.24 43.96,23.24 v1(43.81,23.38)
LED_USB_COMM: length 14.9
  TOP w0.112: v3(28.07,27.33) 28.57,26.83 U5.F12
  TOP w0.152: D8.C v1(32.12,38.35)
  BOTTOM w0.152: v1(32.12,38.35) 30.35,36.59 30.35,32 28.07,29.72 v3(28.07,27.33)
LED_VCOM_ACT: length 8.5
  TOP w0.112: v3(29.72,29.21) 29.84,29.33 U5.B6 ; D10.C v1(32.12,34.67)
  BOTTOM w0.152: v1(32.12,34.67) 32.12,31.1 30.23,29.21 v3(29.72,29.21)
LIGHT_SNS: length 45.4
  TOP w0.112: v1(53.98,26.49) 54.03,26.44 U1.11 ; v1(73.15,24.13) 73.69,23.6 73.69,12.1 72.26,10.67 71.76,10.67 68.71,7.62 66.68,7.62 J4.5
  BOTTOM w0.112: v1(53.98,26.49) 54.15,26.67 65.82,26.67 66.2,26.29 70.99,26.29 v1(73.15,24.13)
MCU_LINK_3V3: length 21.4
  TOP w0.254: U5.A9 32.15,27.83 v1(33.15,28.83) ; U5.A5 31.86,29.83 v1(33.15,31.12) ; v1(31.75,25.27) 31.62,25.27 U5.A13 ; U5.A3 31.21,30.83 33.15,32.76 v1(33.15,33.02) ; U5.N7 24.64,28.83 24.59,28.79 ; U5.M1 25.57,32.22 25.21,32.58
  TOP w0.305: R49.1 v1(27.3,38.47) ; v1(31.75,25.27) 31.88,25.15 C46.1 ; C34.1 33.27,31.24 v1(33.15,31.12) ; C30.1 v1(33.15,33.02) ; C47.1 33.53,29.21 v1(33.15,28.83)
  TOP w0.381: C31.1 23.62,33.02 v1(24.77,33.02) 25.21,32.58 ; 24.59,28.79 23.41,28.79 v1(23.37,28.83) 22.99,29.21 C32.1
  vias: v1(27.3,40.51) v1(27.3,39.62)
MCU_LINK_I2C0_SCL: length 5.7
  TOP w0.112: R79.1 35.94,26.54 31.28,26.54 U5.A12
MCU_LINK_I2C0_SDA: length 10.2
  TOP w0.112: v1(32.2,29.4) 33.51,30.71 35.84,30.71 R78.1 ; U5.E7 v3(28.57,28.83)
  BOTTOM w0.152: v3(28.57,28.83) 29.08,28.32 31.75,28.32 32.2,28.77 v1(32.2,29.4)
MCU_LINK_N_16MHZ: length 8.6
  TOP w0.112: U5.M3 25.22,30.49 24.89,30.49 24.2,31.17 22.68,31.17 21.34,32.51 20.96,32.51 C44.1 20.06,32.25 19.7,31.89 Y2.2
MCU_LINK_P_16MHZ: length 8.2
  TOP w0.112: U5.N3 24.4,31.5 22.88,31.5 21.49,32.89 21.09,32.89 C45.1 20.69,33.27 19.94,33.27 19.32,33.89 Y2.1
MCU_LINK_RST: length 5
  TOP w0.112: R50.2 26.29,33.54 26.42,33.41 26.42,29.98 U5.J6
MCU_LINK_RX: length 9.6
  TOP w0.112: R70.1 36.58,22.99 35.81,23.75 30.61,23.75 29.41,24.94 29.41,25.99 U5.E12
MCU_LINK_SPI1_MISO: length 7.3
  TOP w0.112: U5.G13 31.67,22.23 R75.1
MCU_LINK_SPI1_MOSI: length 10
  TOP w0.112: v2(27.03,26.85) 27.08,26.8 27.1,26.8 U5.H12 ; R74.1 v1(33.15,21.21)
  BOTTOM w0.112: v1(33.15,21.21) 32.67,21.21 v2(27.03,26.85)
MCU_LINK_SPI1_SCLK: length 8.5
  TOP w0.112: R73.1 v1(33.15,23.24) ; U5.G12 27.58,26.81 v2(27.58,26.85)
  BOTTOM w0.112: v2(27.58,26.85) 31.19,23.24 v1(33.15,23.24)
MCU_LINK_SPI1_SSEL: length 5
  TOP w0.112: v1(31.75,26.03) R72.1 ; U5.B12 v3(30.04,26.86)
  BOTTOM w0.112: v1(31.75,26.03) 30.92,26.86 v3(30.04,26.86)
MCU_LINK_TX: length 5.8
  TOP w0.112: R71.1 35.85,26.83 U5.A11
P5-9V_VIN:
  vias: v1(32.13,13.59) v1(32.13,12.32) v1(33.27,13.59) v1(33.27,12.32)
PIO0_5-ISP_EN-LED_SWD_ACT: length 26.6
  TOP w0.112: U5.A7 v1(31.61,28.83) ; JP2.2 R60.2 25.02,39.88 25.93,38.97 30.12,38.97 31.62,37.47 D9.C v1(32.12,36.45)
  BOTTOM w0.152: v1(32.12,36.45) 32.12,35.55 31.37,34.8 31.37,32 29.21,29.84 29.21,29.08 29.59,28.7 31.46,28.7 31.59,28.83 v1(31.61,28.83)
PTA4/NMI: length 32
  TOP w0.112: v1(76.58,7.37) R15.2 C12.1 79.88,8.25 80.52,7.62 SW3.2 ; v1(63.37,8.89) 62.87,9.4 62.87,19.69 R5.2
  BOTTOM w0.112: v1(63.37,8.89) 64.9,7.37 v1(76.58,7.37)
PTB16: length 53
  TOP w0.112: v1(64.35,29.97) 64.35,27.72 65.14,26.94 U1.39
  BOTTOM w0.112: v1(64.35,29.97) 64.35,29.97 55.88,29.97 53.47,32.38 39.5,32.38 37.59,34.29 37.59,40.39 30.35,47.62 28.96,47.62 J2.19
PTB17: length 50.4
  TOP w0.112: v1(65.41,29.97) 65.41,27.81 65.78,27.44 U1.40
  BOTTOM w0.112: J2.17 30.23,48.39 38.1,40.51 38.1,34.54 39.88,32.77 54.01,32.77 56.3,30.48 64.9,30.48 v1(65.41,29.97)
PTC3/WAKEUP: length 34.7
  TOP w0.112: U1.46 67.75,30.44 68.45,31.14 69.11,31.14 69.77,31.8 72.69,31.8 73.33,32.44 73.33,41.85 v1(69.98,45.21) ; SW2.2 C10.1 R9.2 v1(78.36,46.61)
  BOTTOM w0.112: v1(69.98,45.21) 71.37,46.61 v1(78.36,46.61)
PTC4/SPI0_PCS_MCULINK: length 51
  TOP w0.112: J1.7 63.01,47.13 63.01,38.21 63.37,37.85 63.37,35.97 R12.1 62.71,35.3 U1.53 62.71,30.96 61.85,30.1 v1(61.85,27.19) ; R72.2 v1(35.69,26.03)
  BOTTOM w0.112: v1(35.69,26.03) 36.45,26.8 38.86,26.8 39.37,26.29 52.45,26.29 53.36,27.19 v1(61.85,27.19)
PTC5/SPI0_SCK_MCULINK: length 59.6
  TOP w0.112: R73.2 v1(35.69,23.24) ; v1(61.85,25.02) 61.34,25.53 61.34,30.23 62.21,31.1 U1.54 62.21,35.03 62.36,35.18 62.36,37.85 62.72,38.21 62.72,46.75 v1(62.48,46.99)
  BOTTOM w0.112: v1(61.85,25.02) 57.91,25.02 57.49,24.59 53.51,24.59 52.96,25.15 39.37,25.15 38.73,24.51 37.85,24.51 36.58,23.24 v1(35.69,23.24) ; v1(62.48,46.99) 62.1,47.37 56.13,47.37 54.61,48.9
PTC6/SPI0_MOSI_MCULINK: length 55.3
  TOP w0.112: v1(61.85,24) 61.02,24.84 61.02,30.41 61.71,31.1 U1.55 61.71,34.82 61.72,34.84 R14.1 61.21,35.97 61.21,37.59 60.5,38.31 60.5,47.16 J1.9 ; R74.2 v1(35.69,21.21)
  BOTTOM w0.112: v1(61.85,24) 59.18,21.34 41.53,21.34 41.02,21.84 36.32,21.84 v1(35.69,21.21)
